# KiCad board nf_tpu.kicad_pcb (continued)
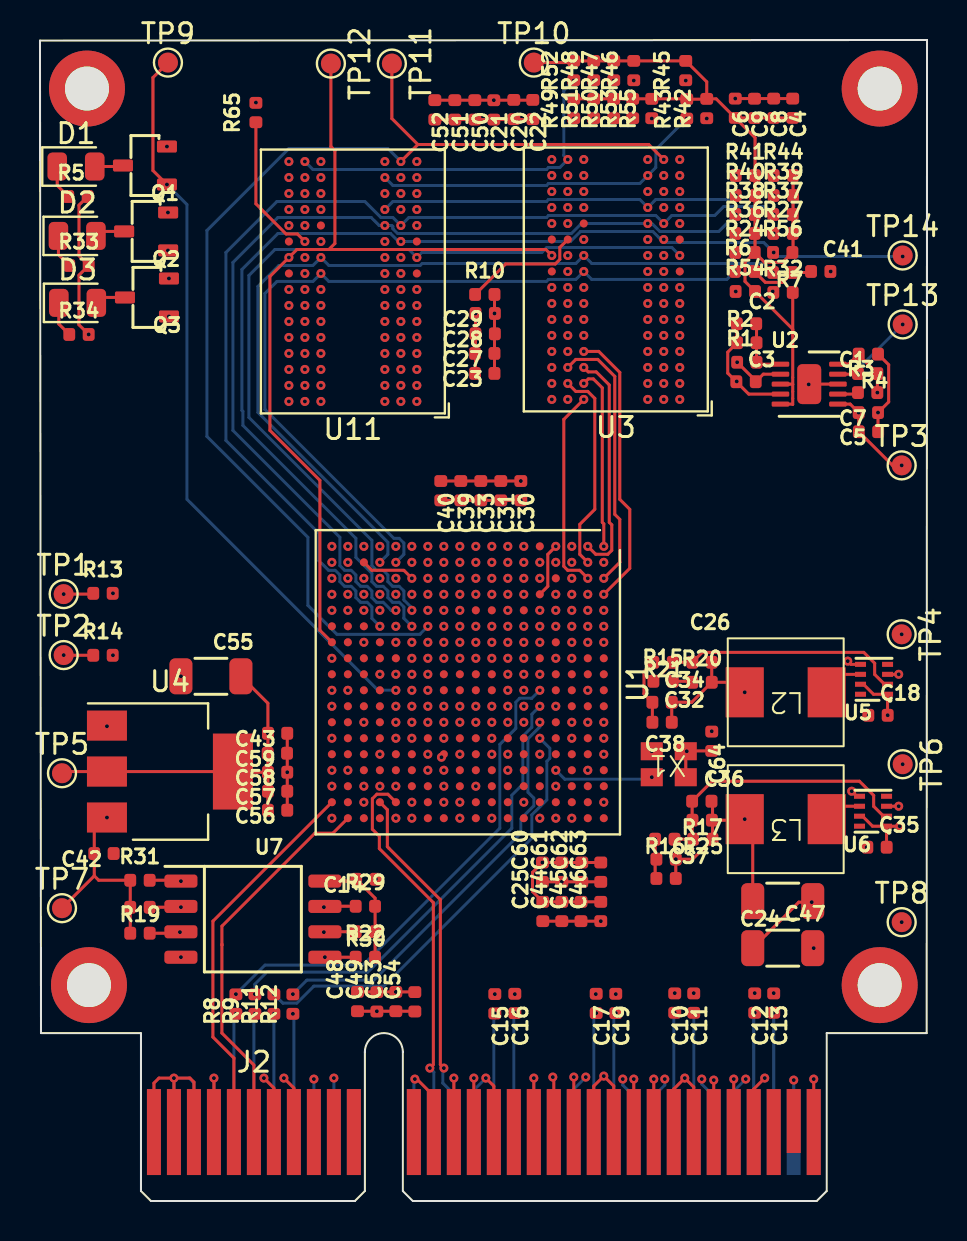
[diagram p0: board, top side]
## Routing (per net, layer and track width the routed paths; a pad name or vN(x,y) marks a point on that pad's centre or on a via; arc(x,y) is an arc through that point) (continued)
CAS_N: length 42.2
  Top w0.15: R27.1 v1(36.7,48.4)
  In2.Cu w0.15: v1(17,32.75) 17,34.21 12.91,38.3 12.8,38.3 11.25,39.85 11.25,45.4 11.8,45.95 ; 11.8,45.95 11.75,45.9 ; 11.8,45.95 11.85,46 16.05,46 v1(17.25,47.2) 17.65,47.6 25.33,47.6 25.43,47.7 30,47.7 v1(30.4,47.3) 30.8,47.7 34.05,47.7 34.35,48 36.3,48 v1(36.7,48.4)
CK+: length 41.3
  Top w0.15: R6.1 v1(34.75,46.5)
  Bottom w0.15: v1(17.8,31.95) 18.2,32.35 18.2,32.92 17.97,33.15 17.7,33.15 11.25,39.6 11.25,39.6 11.25,45.4 11.85,46 13.65,46 v1(14.05,46.4) 14.45,46 25.33,46 25.43,46.1 26.8,46.1 v1(27.2,46.5) 27.6,46.1 34.35,46.1 v1(34.75,46.5)
CK-: length 43.7
  Top w0.15: R7.2 v1(36.65,46.45)
  Bottom w0.15: v1(36.65,46.45) 36.2,46.9 27.6,46.9 v1(27.2,47.3) 26.8,46.9 19.12,46.9 19.02,46.8 14.45,46.8 v1(14.05,47.2) 13.65,46.8 11.95,46.8 10.9,45.75 10.9,39.45 17.4,32.95 17.4,32.35 v1(17,31.95)
CKE: length 53.9
  Top w0.15: 14.45,47.6 25.3,47.6 v1(25.6,47.3) ; 14.45,47.6 12.85,47.6 v1(12.45,47.2) 11.5,46.25 11.5,38.55 14,36.05 14,28.55 U1.V7 ; 14.45,47.6 14.75,47.9 14.75,52.55 14.55,52.75 TP12.1 ; R54.1 v1(34.8,45.5)
  In4.Cu w0.15: v1(25.6,47.3) 26,46.9 31.8,46.9 33.25,45.45 34.75,45.45 v1(34.8,45.5)
CS_N: length 56.5
  Top w0.15: TP14.1 v1(43.15,47.25) ; R56.1 v1(36.7,47.45)
  Bottom w0.15: v1(18.6,28.75) 18.2,29.15 18.2,29.72 17.97,29.95 17.63,29.95 17.4,30.18 17.4,30.52 17.17,30.75 16.83,30.75 16.6,30.98 16.6,31.4 15.8,32.2 15.8,33.15 10.15,38.8 10.15,39.5 10.1,39.55 10.1,46.6 11.9,48.4 17.53,48.4 17.93,48 v1(18.05,48) 26.53,48 27.03,48.5 30.65,48.5 31.05,48.1 v1(31.2,48.1) 31.35,47.95 36.2,47.95 v1(36.7,47.45) 36.9,47.25 v1(43.15,47.25)
DDR3_VREF: length 42.1
  Top w0.15: U2.6 40.52,39.87 v1(40.95,39.44) 40.96,39.43 C5.2 42.64,36.8 v1(43.1,36.8)
  VCC w0.15: v1(40.95,39.44) 38.26,39.44 v1(32,45.7) 31.6,46.1 30.2,46.1 27.4,48.9 v1(26.4,48.9) 26,49.3 25.43,49.3 25.33,49.2 22.5,49.2 ; 22.5,49.2 13.65,49.2 v1(13.25,48.8) ; 22.5,49.2 22.45,49.2 v1(18.85,45.6)
DDR3_VTT: length 47.3
  Top w0.15: C6.2 33.82,55.14 R42.2 ; C6.2 35.77,53.19 R41.2 35.77,47.47 R24.2 ; C6.2 C4.2 ; 37.65,43.3 37.65,43.62 R54.2 35.27,46 35.27,46.97 R24.2 ; 37.65,43.3 37.65,45.5 ; 37.65,43.3 37.65,40.85 ; R42.2 33.33,55.12 R43.2 32.33,55.14 R55.2 R49.2 ; R42.2 33.35,55.99 R45.2 R46.2 R52.2 26.61,56.95 TP10.1 ; R44.2 37.67,47.48 R56.2 37.14,46.96 36.25,46.96 R24.2 ; 37.65,40.85 37.65,39.85 37.63,39.87 U2.5 ; 37.65,40.85 37.64,40.86 U2.3 37.47,40.86
DM0: length 17.1
  In4.Cu w0.15: v1(14.05,43.2) 14.45,42.8 19.7,42.8 21.55,40.95 21.55,38.1 22.6,37.05 v1(22.6,32.75)
DM1: length 17.3
  In2.Cu w0.15: v1(17.25,42.4) 16.55,41.7 16.55,39.15 18.2,37.5 18.2,32.55 18.4,32.35 18.77,32.35 19,32.12 19,31.78 19.23,31.55 19.57,31.55 19.8,31.32 19.8,30.98 20.03,30.75 23,30.75 v1(23.4,30.35)
DM2: length 17.1
  In2.Cu w0.15: v1(27.2,43.3) 26.8,42.9 25.43,42.9 25.2,42.67 25.2,38.2 27,36.4 27,35.05 27.8,34.25 27.8,30.98 27.57,30.75 27.23,30.75 27,30.52 27,30.07 26.6,29.67 v1(26.6,29.55)
DM3: length 21.6
  In4.Cu w0.15: v1(25.8,29.55) 26.2,29.15 26.2,28.58 26.43,28.35 28.9,28.35 32.95,32.4 32.95,41.32 32.17,42.1 30.8,42.1 v1(30.4,42.5)
DQ0: length 17.6
  In2.Cu w0.15: v1(24.2,30.35) 23.8,30.75 23.8,31.32 23.57,31.55 22.43,31.55 22.2,31.78 22.2,32.15 22,32.35 21.63,32.35 21.4,32.58 21.4,33 21.35,33.05 21.35,40.2 19.55,42 17.88,42 17.65,42.23 17.65,42.57 17.25,42.97 v1(17.25,43.2)
DQ1: length 20.6
  In4.Cu w0.15: 19.4,44.3 22.75,40.95 22.75,38.65 25.4,36 25.4,32.35 v1(25.8,31.95) ; 19.4,44.3 19.3,44.4 14.45,44.4 v1(14.05,44) ; 19.4,44.3 19.45,44.25
DQ2: length 14.8
  In2.Cu w0.15: v1(18.05,44) 18.45,44.4 19.3,44.4 22.45,41.25 22.45,34.8 23.4,33.85 v1(23.4,32.75)
DQ3: length 20.3
  In4.Cu w0.15: v1(25,31.95) 25,35.78 22.25,38.53 22.25,40.8 19.45,43.6 13.65,43.6 v1(13.25,44)
DQ4: length 17.3
  In2.Cu w0.15: v1(24.2,32.75) 24.2,34.1 23.25,35.05 23.25,36.5 23.1,36.65 23.1,41.92 19.02,46 17.65,46 v1(17.25,45.6)
DQ5: length 22.4
  In4.Cu w0.15: v1(13.25,45.6) 13.65,45.2 19.1,45.2 23.15,41.15 23.15,39.15 26.2,36.1 26.2,32.35 v1(26.6,31.95)
DQ6: length 17.5
  In2.Cu w0.15: v1(24.2,31.15) 24.2,31.27 23.8,31.67 23.8,34.05 22.75,35.1 22.75,36.5 22.8,36.55 22.8,41.6 19.2,45.2 18.45,45.2 v1(18.05,44.8)
DQ7: length 21.8
  In4.Cu w0.15: v1(14.05,45.6) 14.45,46 19.25,46 19.62,45.63 ; v1(26.6,32.75) 26.6,36.55 23.65,39.5 23.65,41.48 19.62,45.51 19.62,45.63 ; 19.62,45.63 19.7,45.55
DQ8: length 16.1
  In4.Cu w0.15: v1(14.05,42.4) 16.35,40.1 16.35,38 18.7,35.65 19.85,35.65 22.2,33.3 22.2,31.78 22.43,31.55 22.77,31.55 23.17,31.15 v1(23.4,31.15)
DQ9: length 13.7
  In2.Cu w0.15: v1(17.25,41.6) 16.85,41.2 16.85,39.45 19,37.3 19,32.58 19.23,32.35 19.68,32.35 19.8,32.23 19.8,31.78 20.03,31.55 21.4,31.55 v1(21.8,31.15)
DQ10: length 18.6
  In4.Cu w0.15: v1(13.25,41.6) 12.85,41.2 12.85,39.6 14.05,38.4 14.05,36.75 17.55,33.25 17.87,33.25 18.2,32.92 18.2,31.78 18.43,31.55 18.77,31.55 19,31.32 19,30.98 19.23,30.75 19.6,30.75 19.8,30.55 19.8,30.18 20.03,29.95 20.37,29.95 20.6,29.72 20.6,29.38 20.83,29.15 22.2,29.15 v1(22.6,28.75)
DQ11: length 10.3
  In2.Cu w0.15: 21,33.6 21,33.7 ; 21,33.6 21,37.45 19.75,38.7 19.58,38.7 18.45,39.83 18.45,41.2 v1(18.05,41.6) ; 21,33.6 v1(21,32.75)
DQ12: length 17.3
  In4.Cu w0.15: v1(24.2,28.75) 23.8,29.15 23.23,29.15 22.48,29.9 21.68,29.9 21.4,30.18 21.4,30.52 21.17,30.75 20.83,30.75 20.6,30.98 20.6,31.32 20.37,31.55 20.03,31.55 19.8,31.78 19.8,33.35 19.25,33.9 18.1,33.9 14.95,37.05 14.95,39.1 v1(14.05,40)
DQ13: length 9.9
  In2.Cu w0.15: v1(21.8,31.95) 21.68,31.95 21.28,32.35 20.83,32.35 20.6,32.58 20.6,33.6 20.45,33.75 20.45,37.3 18.05,39.7 v1(18.05,40)
DQ14: length 17.9
  In4.Cu w0.15: v1(23.4,28.75) 23.28,28.75 22.53,29.5 21.62,29.5 21.17,29.95 20.8,29.95 20.6,30.15 20.6,30.52 20.37,30.75 20.03,30.75 19.8,30.98 19.8,31.35 19.6,31.55 19.2,31.55 19,31.75 19,33.05 18.55,33.5 17.9,33.5 14.45,36.95 14.45,38.9 13.65,39.7 13.65,40.17 13.25,40.57 v1(13.25,40.8)
DQ15: length 10
  In2.Cu w0.15: 19.8,33.55 19.8,32.58 20.03,32.35 20.37,32.35 20.77,31.95 v1(21,31.95) ; 19.8,33.55 19.8,33.65 ; 19.8,33.55 19.8,37.45 v1(17.25,40)
DQ16: length 17.8
  In2.Cu w0.15: v1(27.4,27.95) 27.8,27.55 28.51,27.55 29.95,28.99 29.95,42.85 v1(30.4,43.3)
DQ17: length 20.3
  In2.Cu w0.15: v1(27.2,44.1) 26.8,43.7 25.43,43.7 24.85,43.12 24.85,37.75 26.1,36.5 26.1,34.8 27,33.9 27,30.98 26.77,30.75 26.43,30.75 26.2,30.52 26.2,27.55 v1(25.8,27.15)
DQ18: length 19.4
  In2.Cu w0.15: v1(26.6,27.95) 27,28.35 28.8,28.35 29.7,29.25 29.7,43.17 30.23,43.7 30.8,43.7 v1(31.2,44.1)
DQ19: length 18.4
  In2.Cu w0.15: v1(25,28.75) 25.4,29.15 25.4,30.55 26.2,31.35 26.2,33.85 25.5,34.55 25.5,36.45 24.55,37.4 24.55,43.65 25.4,44.5 26,44.5 v1(26.4,44.1)
DQ20: length 19.4
  In2.Cu w0.15: 28.7,31.45 28.7,31.08 28.37,30.75 28.03,30.75 27.8,30.52 27.8,30.1 27.65,29.95 27.23,29.95 27,29.72 27,29.15 v1(26.6,28.75) ; 28.7,31.45 28.7,31.3 ; 28.7,31.45 28.7,44.45 29.95,45.7 v1(30.4,45.7)
DQ21: length 20.5
  In2.Cu w0.15: 23.9,37.55 23.9,44.6 25.4,46.1 26,46.1 v1(26.4,45.7) ; 23.9,37.55 23.9,37.45 ; 23.9,37.55 23.9,36.85 24.6,36.15 24.6,28.35 v1(25,27.95)
DQ22: length 19.2
  In2.Cu w0.15: v1(27.4,28.75) 27.8,29.15 27.8,29.72 28.03,29.95 28.5,29.95 28.95,30.4 28.95,44.2 30.05,45.3 30.8,45.3 v1(31.2,44.9)
DQ23: length 19
  In2.Cu w0.15: v1(25,29.55) 25,30.58 25.4,30.98 25.4,32.95 25.15,33.2 25.15,36.2 24.2,37.15 24.2,37.75 ; v1(27.2,45.7) 26.8,45.3 25.43,45.3 24.2,44.07 24.2,37.75 ; 24.2,37.75 24.2,37.65
DQ24: length 14.1
  Top w0.15: v1(28.2,30.35) 29.5,31.65 29.5,34.6 29,35.1 29,41.45 27.95,42.5 v1(27.2,42.5)
DQ25: length 15.6
  In4.Cu w0.15: v1(30.4,41.7) 30.8,41.3 31.37,41.3 31.6,41.07 31.6,39.35 31.7,39.25 31.7,32.5 29.15,29.95 27.8,29.95 v1(27.4,30.35)
DQ26: length 13.4
  Top w0.15: v1(28.2,31.15) 29,31.95 29,34.1 28.75,34.35 28.75,41.25 27.9,42.1 26.8,42.1 v1(26.4,41.7)
DQ27: length 18.2
  In4.Cu w0.15: 32.45,39.5 32.45,32.6 29,29.15 27.23,29.15 27,29.38 27,29.95 v1(26.6,30.35) ; 32.45,39.5 32.45,39.35 ; 32.45,39.5 32.45,41.05 32.2,41.3 31.83,41.3 31.43,41.7 v1(31.2,41.7)
DQ28: length 10.2
  Top w0.15: v1(27.2,40.1) 26.2,39.1 26.2,31.75 26.4,31.55 27,31.55 v1(27.4,31.15)
DQ29: length 13.8
  In4.Cu w0.15: v1(25.8,30.35) 26.2,30.75 29.35,30.75 31.2,32.6 v1(31.2,40.1)
DQ30: length 10.3
  Top w0.15: v1(26.4,40.9) 26.8,40.5 27.4,40.5 27.75,40.15 27.75,34.6 27,33.85 27,32.35 v1(27.4,31.95)
DQ31: length 13.1
  In4.Cu w0.15: v1(30.4,40.1) 30.4,39.55 ; 30.4,39.55 30.4,39.45 ; 30.4,39.55 30.4,33.5 28.45,31.55 25.4,31.55 v1(25,31.15)
DQS0+: length 15.1
  In2.Cu w0.15: v1(17.25,44) 17.25,43.77 17.65,43.37 17.65,43.03 17.88,42.8 19.35,42.8 21.67,40.48 21.67,34.48 22.2,33.95 22.2,32.5 22.6,32.1 v1(22.6,31.95)
DQS0-: length 16.3
  In2.Cu w0.15: v1(17.25,44.8) 17.65,44.4 17.65,43.83 17.88,43.6 19.45,43.6 22.03,41.03 22.03,34.72 23,33.75 23,32.35 v1(23.4,31.95)
DQS1+: length 15.8
  In4.Cu w0.15: v1(21.8,30.35) 21.8,30.47 21.4,30.87 21.4,31.32 21.17,31.55 20.83,31.55 20.6,31.78 20.6,33.5 19.67,34.43 18.83,34.43 15.42,37.83 15.42,39.38 14.4,40.4 13.85,40.4 13.65,40.6 13.65,41.2 v1(14.05,41.6)
DQS1-: length 15.2
  In4.Cu w0.15: v1(14.05,40.8) 14.75,40.8 15.78,39.78 15.78,37.97 18.8,34.95 19.75,34.95 21.4,33.3 21.4,31.78 21.63,31.55 21.97,31.55 22.2,31.32 22.2,30.75 v1(22.6,30.35)
DQS2+: length 16.5
  In2.Cu w0.15: v1(28.2,28.75) 29.45,30 29.45,43.6 29.95,44.1 v1(30.4,44.1)
DQS2-: length 16.7
  In2.Cu w0.15: v1(28.2,29.55) 28.48,29.55 29.2,30.27 29.2,44.1 30,44.9 v1(30.4,44.9)
DQS3+: length 11.4
  Top w0.15: v1(27.4,32.75) 27.8,32.35 28.4,32.35 28.6,32.55 28.6,33.83 28.47,33.95 28.47,40.82 27.82,41.48 27.42,41.48 v1(27.2,41.7)
DQS3-: length 9.2
  Top w0.15: v1(28.2,32.75) 28.2,33.88 28.12,33.95 28.12,40.68 27.68,41.13 27.42,41.13 v1(27.2,40.9)
ext_clk: length 5
  Bottom w0.15: v1(30.6,21.2) 30.5,21.2 30.4,21.1 26.25,21.1 v1(25.8,21.55)
FPGA_DONE: length 37.3
  Top w0.15: v1(6.35,50.85) 6.35,50.85 5.65,51.55 5.65,56.2 TP9.1
  Bottom w0.15: v1(17.8,25.55) 16.91,25.55 7.35,35.11 7.35,49.85 v1(6.35,50.85)
JTAG_TCK: length 24.7
  Top w0.15: R8.2 v1(9.8,10.35)
  Bottom w0.15: v1(25,25.55) 24.6,25.15 23.99,25.15 23.8,24.96 23.8,23.64 23,22.84 23,18.65 16.15,11.8 11.25,11.8 v1(9.8,10.35)
JTAG_TDI: length 23.3
  Top w0.15: R9.2 v1(10.75,10.35)
  Bottom w0.15: v1(25,24.75) 24.6,24.35 24.6,23.7 24.15,23.25 24.15,20.85 23.6,20.3 23.6,18.65 16.4,11.45 11.35,11.45 10.75,10.85 v1(10.75,10.35)
JTAG_TDO: length 22.1
  Top w0.15: R11.2 v1(11.7,10.35)
  Bottom w0.15: v1(25,23.15) 25.5,22.65 25.5,22.14 25.35,21.99 25.35,20.07 24.6,19.32 24.6,18.15 17.2,10.75 13.7,10.75 12.85,9.9 12.15,9.9 v1(11.7,10.35)
JTAG_TMS: length 20.9
  Top w0.15: R12.2 v1(12.65,10.35)
  Bottom w0.15: v1(12.65,10.35) 13.35,11.05 16.7,11.05 24.05,18.4 24.05,19.12 24.7,19.77 24.7,20.16 24.41,20.45 24.41,23.12 25,23.72 v1(25,23.95)
ODT: length 49.1
  Top w0.15: 36.68,45.5 v1(36.65,45.5)
  In4.Cu w0.15: v1(36.65,45.5) 36.25,45.9 36.25,46.8 36,47.05 32.25,47.05 v1(32,47.3)
  Bottom w0.15: v1(32,47.3) 31.6,47.7 25.35,47.7 25.1,47.45 19.1,47.45 v1(18.85,47.2) 18.45,47.6 11.75,47.6 10.45,46.3 10.45,39.2 16.6,33.05 16.6,31.78 16.83,31.55 17.17,31.55 17.4,31.32 17.4,30.98 17.63,30.75 17.97,30.75 18.2,30.52 18.2,30.07 18.6,29.67 v1(18.6,29.55)
pcie_12v: length 16.1
  Top w0.15: v1(6.7,6.15) 7.5,6.15 7.7,5.95 J2.A3 ; v1(6.7,6.15) 5.95,6.15 5.7,5.9 J2.B1 ; v1(6.7,6.15) J2.A2
  Bottom w0.15: J2.A3 7.7,5.9 7.45,6.15 v1(6.7,6.15) J2.A2
pcie_r0+: length 26
  Top w0.15: J2.B14 v1(20.7,6.15)
  In2.Cu w0.15: v1(14.6,25.55) 13.33,24.28 13.33,16.48 21.03,8.78 21.03,6.48 v1(20.7,6.15)
pcie_r0-: length 25.2
  Top w0.15: J2.B15 v1(21.7,6.15)
  In2.Cu w0.15: v1(14.6,24.75) 14.29,24.75 13.67,24.13 13.67,16.62 21.38,8.92 21.38,6.48 v1(21.7,6.15)
pcie_r1+: length 19.7
  Top w0.15: J2.B19 25.7,6.15 v1(25.65,6.2)
  In2.Cu w0.15: v1(18.6,19.95) 19.8,18.75 19.8,17.45 26,11.25 26,6.55 v1(25.65,6.2)
pcie_r1-: length 22
  Top w0.15: J2.B20 v1(26.7,6.2)
  In2.Cu w0.15: v1(26.7,6.2) 26.35,6.55 26.35,11.4 20.22,17.52 20.22,18.98 18.85,20.35 18.43,20.35 17.8,19.72 v1(17.8,19.15)
pcie_r2+: length 22.3
  Top w0.15: J2.B23 v1(29.7,6.1)
  In2.Cu w0.15: v1(22.6,22.35) 22.83,22.13 22.65,21.95 22.65,21.24 23.1,20.79 23.1,17.45 30.03,10.53 30.03,6.43 v1(29.7,6.1)
pcie_r2-: length 22.3
  Top w0.15: J2.B24 v1(30.7,6.1)
  In2.Cu w0.15: v1(30.7,6.1) 30.38,6.43 30.38,10.67 23.4,17.65 23.4,20.95 22.9,21.45 22.9,21.76 23.17,22.03 23.17,22.13 v1(23.4,22.35)
pcie_r3+: length 24.1
  Top w0.15: J2.B27 v1(33.7,6.05)
  In2.Cu w0.15: v1(33.7,6.05) 34.05,6.4 34.05,12.3 26.65,19.7 26.65,21.9 27.05,22.3 27.05,23.5 v1(26.6,23.95)
pcie_r3-: length 23.9
  Top w0.15: J2.B28 v1(34.7,6.1)
  In2.Cu w0.15: v1(27.4,23.95) 27.4,22.12 27,21.72 27,19.86 34.7,12.16 v1(34.7,6.1)
pcie_refclk+: length 19.5
  Top w0.15: U1.P17 17.4,20.35 16.85,20.35 16.62,20.13 16.62,18.6 16.97,18.25 16.97,17.63 19.67,14.93 19.67,6.83 v1(19.5,6.65)
  Bottom w0.15: v1(19.5,6.65) 19.7,6.45 J2.A13
pcie_refclk-: length 18.1
  Top w0.15: U1.R17 17.38,19.58 17.38,17.72 20.03,15.07 20.03,6.83 v1(20.2,6.65)
  Bottom w0.15: J2.A14 20.7,5.35 20.15,5.9 20.15,6.6 v1(20.2,6.65)
pcie_smclk: length 19.4
  Top w0.15: J2.B5 9.7,7.15 8.65,8.2 8.65,14 U1.V17
pcie_smdat: length 19.5
  Top w0.15: 9.1,12.8 9.1,13.75 13.75,18.4 14.65,18.4 U1.U18 ; 9.1,12.8 9.1,12.85 ; 9.1,12.8 9.1,8.4 10.7,6.8 J2.B6
pcie_t0+: length 13.1
  Top w0.15: C15.1 v1(22.75,10.35)
  In2.Cu w0.15: v1(22.75,10.35) 23.08,10.68 23.08,12.38 17,18.45 v1(17,20.75)
pcie_t0-: length 15
  Top w0.15: C16.1 v1(23.75,10.35)
  In2.Cu w0.15: v1(23.75,10.35) 23.42,10.68 23.42,12.52 17.4,18.55 17.4,20.92 17.17,21.15 16.6,21.15 v1(16.2,20.75) 16.42,20.98
pcie_t1+: length 15.4
  Top w0.15: C17.1 27.8,10.35 v1(27.8,10.35)
  In2.Cu w0.15: v1(27.8,10.35) 27.8,11.25 21.4,17.65 21.4,20.12 21.17,20.35 20.03,20.35 19.8,20.58 19.8,21.15 v1(20.2,21.55)
pcie_t1-: length 14.6
  Top w0.15: C19.1 v1(28.8,10.35)
  In2.Cu w0.15: v1(20.2,20.75) 21.25,20.75 21.4,20.6 21.4,20.58 21.63,20.35 21.65,20.35 21.95,20.05 21.95,17.6 28.2,11.35 28.2,10.95 v1(28.8,10.35)
pcie_t2+: length 11.8
  Top w0.15: C10.1 v1(31.75,10.4)
  In2.Cu w0.15: v1(31.75,10.4) 32.05,10.7 32.05,10.9 25.22,17.73 25.22,18.93 v1(25,19.15)
pcie_t2-: length 11.8
  Top w0.15: C11.1 v1(32.7,10.4)
  In2.Cu w0.15: v1(32.7,10.4) 32.4,10.7 32.4,11.05 25.58,17.87 25.58,18.93 v1(25.8,19.15)
pcie_t3+: length 16.5
  Top w0.15: C12.1 v1(35.75,10.4)
  In2.Cu w0.15: v1(28.2,23.15) 27.8,22.75 27.8,22.06 36.05,13.81 36.05,10.7 v1(35.75,10.4)
pcie_t3-: length 15.5
  Top w0.15: C13.1 v1(36.7,10.4)
  In2.Cu w0.15: v1(28.2,22.35) 36.7,13.85 v1(36.7,10.4)
QSPI0_CLK: length 21.3
  Top w0.15: v1(14.2,13.45) 14.22,13.47 U7.6 14.25,13.47 R30.2
  In4.Cu w0.15: v1(25,26.35) 24.6,25.95 24.03,25.95 23.8,25.72 23.8,19.64 17.61,13.45 v1(14.2,13.45)
QSPI0_CS_N: length 20.5
  Top w0.15: R31.2 7.01,16.05 U7.1 v1(7.05,16)
  In4.Cu w0.15: v1(20.2,23.15) 19.35,23.15 18.75,22.55 18.75,20.9 16.32,18.47 16.32,15.89 16.02,15.6 7.45,15.6 v1(7.05,16)
QSPI0_D0: length 14.7
  Top w0.15: v1(14.25,12.2) U7.5 R22.1
  In4.Cu w0.15: v1(21,19.95) 21.55,19.4 21.55,18.55 16.9,13.9 14,13.9 13.7,13.6 13.7,12.75 v1(14.25,12.2)
QSPI0_D1: length 18.1
  Top w0.15: v1(7.05,14.7) 7.05,14.7 U7.2 7.01,14.7 R19.1
  In4.Cu w0.15: v1(7.05,14.7) 7.45,14.3 16.7,14.3 21,18.6 v1(21,19.15)
QSPI0_D2: length 21.9
  Top w0.15: R28.1 6.98,13.4 U7.3 7.02,13.47 v1(7,13.45)
  In4.Cu w0.15: v1(20.08,22.2) 19.8,21.92 19.8,18.39 16.71,15.3 6.95,15.3 6.5,14.85 6.5,13.95 v1(7,13.45)
QSPI0_D3: length 14.7
  Top w0.15: R29.1 14.26,14.75 U7.7 14.23,14.74 v1(14.2,14.7)
  In4.Cu w0.15: v1(14.2,14.7) 16.5,14.7 20.6,18.8 20.6,22.35 20.35,22.6 19.65,22.6 v1(19.4,22.35)
RAS_N: length 40.9
  Top w0.15: R24.1 v1(34.75,47.45)
  In2.Cu w0.15: v1(34.75,47.45) 34.2,46.9 31.05,46.9 31,46.85 30.75,46.85 v1(30.4,46.5) 30,46.9 26.23,46.9 26.13,46.8 17.65,46.8 v1(17.25,46.4) 16.05,45.2 12.15,45.2 11.65,44.7 11.65,39.81 12.66,38.8 13.05,38.8 17.4,34.45 17.4,31.55 v1(17.8,31.15)
RESET_N: length 57.7
  Top w0.15: 18.9,52.85 v1(18.05,52) ; 18.9,52.85 30.45,52.85 v1(31.2,52.1) ; 18.9,52.85 17.6,54.15 TP11.1
  Bottom w0.15: v1(19.4,28.75) 19,28.35 14.85,28.35 13.4,29.8 13.4,33.2 8.35,38.25 8.35,48.55 12.45,52.65 17.4,52.65 v1(18.05,52)
USR_LED0: length 29.4
  Top w0.15: v1(6.4,47.55) 6.4,47.55 Q2.1
  In4.Cu w0.15: v1(14.6,21.55) 13.3,22.85 13.3,28.5 7.15,34.65 7.15,46.8 v1(6.4,47.55)
USR_LED1: length 26.9
  In4.Cu w0.15: v1(6.45,44.25) 6.75,43.95 6.75,34.4 12.95,28.2 12.95,22.4 v1(14.6,20.75)
WE_N: length 42.8
  Top w0.15: R36.1 v1(34.75,48.4)
  In2.Cu w0.15: v1(17,31.15) 16.6,31.55 16.6,34.16 12.81,37.95 12.7,37.95 12.25,38.4 12.25,38.4 12,38.65 12,38.7 10.7,40 10.7,45.7 11.8,46.8 16.05,46.8 v1(17.25,48) 17.37,48 17.77,48.4 26.8,48.4 26.9,48.5 30,48.5 v1(30.4,48.1) 30.8,48.5 34.65,48.5 v1(34.75,48.4)
Net-(C41-Pad1): length 3.3
  Top w0.15: R6.2 36.28,45.96 37.14,45.96 R7.1 38.52,46.45 C41.1
Net-(D1-Pad1): length 1.7
  Top w0.15: R5.1 0.86,50.8 D1.1
Net-(D2-Pad1): length 1.7
  Top w0.15: R33.1 0.92,47.34 D2.1
Net-(D3-Pad1): length 1.8
  Top w0.15: R34.1 0.94,43.87 D3.1
Net-(J2-JTAG2): length 6
  Bottom w0.15: v1(9.8,9.37) 9.7,9.27 J2.A5
Net-(J2-JTAG3): length 5.9
  Bottom w0.15: J2.A6 10.7,9.32 v1(10.75,9.37)
Net-(J2-JTAG4): length 5.9
  Bottom w0.15: J2.A7 v1(11.7,9.37)
Net-(J2-JTAG5): length 5.9
  Bottom w0.15: J2.A8 12.7,9.32 v1(12.65,9.37)
Net-(J2-PERn0): length 6
  Bottom w0.15: J2.A17 23.7,9.35 v1(23.75,9.4)
Net-(J2-PERn1): length 6
  Bottom w0.15: v1(28.8,9.4) 28.7,9.3 J2.A22
Net-(J2-PERn2): length 6
  Bottom w0.15: J2.A26 v1(32.7,9.42)
Net-(J2-PERn3): length 6
  Bottom w0.15: J2.A30 v1(36.7,9.42)
Net-(J2-PERp0): length 6
  Bottom w0.15: J2.A16 22.7,9.33 v1(22.75,9.38)
Net-(J2-PERp1): length 6
  Bottom w0.15: J2.A21 27.7,9.28 v1(27.82,9.4)
Net-(J2-PERp2): length 6
  Bottom w0.15: J2.A25 31.7,9.37 v1(31.75,9.42)
Net-(J2-PERp3): length 6
  Bottom w0.15: v1(35.75,9.42) 35.7,9.37 J2.A29
Net-(Q1-D): length 1.4
  Top w0.15: D1.2 4.1,51.75 Q1.3
Net-(Q2-D): length 1.5
  Top w0.15: Q2.3 3.02,48.5 D2.2
Net-(Q3-D): length 1.5
  Top w0.15: D3.2 3.09,45.2 Q3.3
Net-(R15-Pad2): length 1
  Top w0.15: R20.1 32.58,26 R15.2
Net-(U1D-INIT_B_0): length 19.4
  Top w0.15: v1(1.19,30.36) 2.62,30.36 R13.1
  In2.Cu w0.15: v1(1.19,30.36) 1.59,30.36 4.4,27.55 17.4,27.55 v1(17.8,27.95)
Net-(U1D-PROGRAM_B_0): length 18.5
  Top w0.15: R14.1 1.19,27.3 v1(1.19,27.31)
  In2.Cu w0.15: v1(1.19,27.31) 1.75,26.75 16.7,26.75 17.4,26.75 v1(17.8,26.35)
Net-(U2-EN): length 1
  Top w0.15: U2.7 40.84,40.37 R3.1
Net-(U2-PGOOD): length 4.4
  Top w0.15: U2.9 40.89,41.36 v1(40.91,41.39)
  Bottom w0.15: v1(40.91,41.39) 40.91,41.61 v1(43.15,43.85)
Net-(U2-REFIN): length 3.2
  Top w0.15: C2.2 35.84,43.87 R1.2 35.94,41.86 U2.1
Net-(U3-ZQ): length 6.1
  Top w0.15: 21.75,45.35 R10.1 23.29,46.88 25.78,46.88 26,47.1 26,47.7 U3.L8
Net-(U5-FB): length 13.3
  Top w0.15: R15.1 30.7,26 R21.1 C26.1 33.13,27.45 41.2,27.45 41.75,26.9 41.75,26.34 42.24,25.85 U5.2
Net-(U5-SW): length 2.1
  Top w0.15: L2.1 40.25,26.35 U5.6
Net-(U6-FB): length 14
  Top w0.15: U6.2 42.19,19.25 41.7,19.74 41.7,20.29 40.99,21 33.62,21 C36.1 32.62,18.15 R25.2 R16.1
Net-(U6-SW): length 1.9
  Top w0.15: L3.1 40,19.75 U6.6
Net-(U11-ZQ): length 7.3
  Top w0.15: R65.1 10.8,49.88 12.31,48.38 12.88,48.38 v1(13.25,48)
unconnected-(U1B-IO_0_34-PadK6):
  vias: v1(21,28.75)
unconnected-(U1B-IO_L1N_T0_34-PadM1):
  vias: v1(19.4,32.75)
unconnected-(U1B-IO_L1P_T0_34-PadL1):
  vias: v1(20.2,32.75)
unconnected-(U1B-IO_L2N_T0_34-PadL3):
  vias: v1(20.2,31.15)
unconnected-(U1B-IO_L2P_T0_34-PadK3):
  vias: v1(21,31.15)
unconnected-(U1B-IO_L3N_T0_DQS_34-PadN1):
  vias: v1(18.6,32.75)
unconnected-(U1B-IO_L3P_T0_DQS_34-PadN2):
  vias: v1(18.6,31.95)
unconnected-(U1B-IO_L4N_T0_34-PadM2):
  vias: v1(19.4,31.95)
unconnected-(U1B-IO_L4P_T0_34-PadM3):
  vias: v1(19.4,31.15)
unconnected-(U1B-IO_L5N_T0_34-PadL4):
  vias: v1(20.2,30.35)
unconnected-(U1B-IO_L5P_T0_34-PadK5):
  vias: v1(21,29.55)
unconnected-(U1B-IO_L6N_T0_VREF_34-PadL5):
  vias: v1(20.2,29.55)
unconnected-(U1B-IO_L6P_T0_34-PadL6):
  vias: v1(20.2,28.75)

## Copper pours and planes (outline as drawn; the poured copper is in the pictures)
GND on GND: -21.1,88.4 -21.9,-9.1 74.1,-6.8 68.2,87.7
GND on GND: -9.9,61 -10.8,-7.3 62.7,-9.5 59.4,63.6
VCC3V3 on VCC: -1.6,26.05 -1.85,-3.45 51.05,-3.25 49.8,25.8
VCCDDR3 on VCC: 45.55,26.55 46.2,59.85 -1.45,59.85 -1.55,26.8

## Text on the board
B.Silkscreen: netforce.com/hw | NF-A7-100
